# KiCad board keyboard.kicad_pcb (continued)
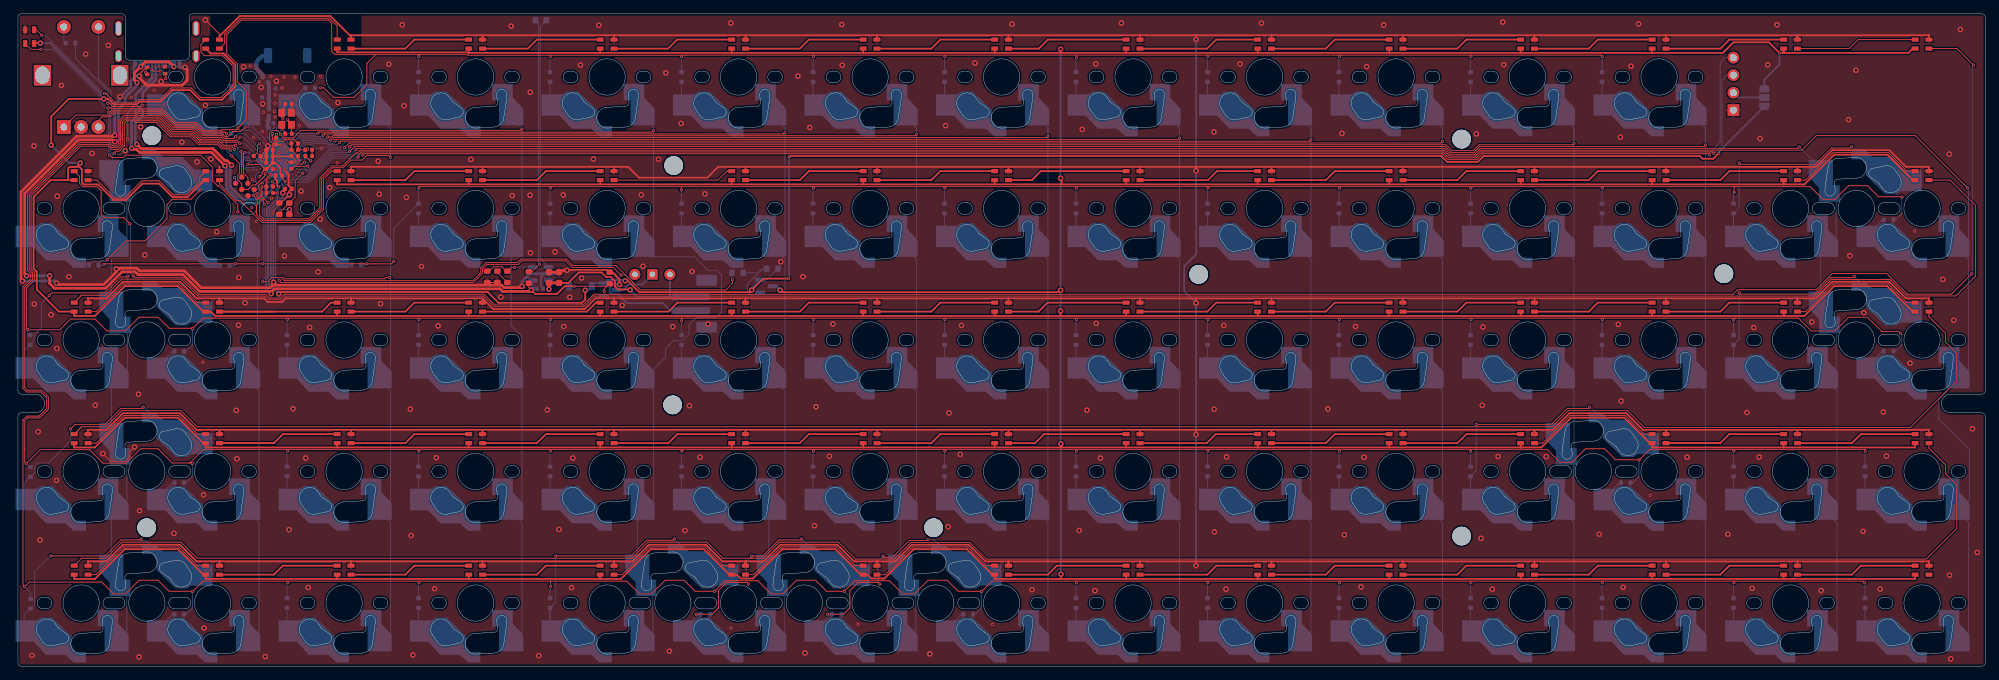
[diagram p0: board, top side]
## Footprints (pads in the part's own frame, mm; a bottom-side part is the same pattern mirrored in y, then rotated)
C_0402_1005Metric
  rrect 0.56x0.62 smd: 1(-0.48,0) 2(0.48,0)
C_0603_1608Metric
  rrect 0.9x0.95 smd: 1(-0.775,0) 2(0.775,0)
Crystal_SMD_2520-4Pin_2.5x2.0mm
  rect 1.15x1 smd: 1(-0.875,-0.7) 2(0.875,-0.7) 3(0.875,0.7) 4(-0.875,0.7)
D_SOD-123
  rrect 0.9x1.2 smd: 1(-1.65,0) 2(1.65,0)
D_SOD-523
  rrect 0.6x0.7 smd: 1(-0.7,0) 2(0.7,0)
Johanson_2450AT43F0100
  rrect 1.2x2.2 smd: 1(-2.85,0) 2(2.85,0)
JST_PH_B2B-PH-SM4-TB_1x02-1MP_P2.00mm_Vertical
  rrect 1x5.5 smd: 1(-1,-0.5) 2(1,-0.5)
  rrect 1.6x3 smd: MP(-3.4,1.75) MP(3.4,1.75)
LED_0603_1608Metric
  rrect 0.875x0.95 smd: 1(-0.787,0) 2(0.787,0)
LED_SK6805_PLCC4_2.4x2.7mm_P1.3mm
  rect 1x0.6 smd: 1(-1,0.65) 2(-1,-0.65) 3(1,-0.65) 4(1,0.65)
Molex_USBC_2169900001
  rect 0.6x1 smd: A1(-3.2,5.7) A4(-2.4,5.7) B1(3.2,5.7) B4(2.4,5.7)
  rect 0.3x1 smd: A5(-1.25,5.7) A6(-0.25,5.7) A7(0.25,5.7) A8(1.25,5.7) B5(1.75,5.7) B6(0.75,5.7) B7(-0.75,5.7) B8(-1.75,5.7)
  oval 1x2.2 hole 0.6x1.8: S1(-5.62,0) S1(5.62,0)
  oval 1x1.8 hole 0.6x1.4: S1(-5.62,4) S1(5.62,4)
MountingHole_2.7mm_M2.5_ISO7380
  round 2.7 hole 2.7 unplated: (0,0)
Nordic_AQFN-73-1EP_7x7mm_P0.5mm
  rect 2x2 smd: (-1.212,-1.212) (-1.212,1.212) (1.212,-1.212) (1.212,1.212)
  round 0.25 smd: A8(-1.25,3.25) A10(-0.75,3.25) A12(-0.25,3.25) A14(0.25,3.25) A16(0.75,3.25) A18(1.25,3.25) A20(1.75,3.25) A22(2.25,3.25) A23(2.75,3.25) AA24(3.25,-2.25) AB2(-2.75,-2.5) AC5(-2,-2.75) AC9(-1,-2.75) AC11(-0.5,-2.75) AC13(0,-2.75) AC15(0.5,-2.75) AC17(1,-2.75) AC19(1.5,-2.75) AC21(2,-2.75) AC24(3.25,-2.75) AD2(-2.75,-3.25) AD4(-2.25,-3.25) AD6(-1.75,-3.25) AD8(-1.25,-3.25) AD10(-0.75,-3.25) AD12(-0.25,-3.25) AD14(0.25,-3.25) AD16(0.75,-3.25) AD18(1.25,-3.25) AD20(1.75,-3.25) AD22(2.25,-3.25) AD23(2.75,-3.25) B1(-3.25,2.75) B3(-2.5,2.75) B5(-2,2.75) B7(-1.5,2.75) B9(-1,2.75) B11(-0.5,2.75) B13(0,2.75) B15(0.5,2.75) B17(1,2.75) B19(1.5,2.75) B24(3.25,2.75) C1(-3.25,2.25) D2(-2.75,2) D23(2.75,2) E24(3.25,1.75) F2(-2.75,1.5) F23(2.75,1.5) G1(-3.25,1.25) H2(-2.75,1) H23(2.75,1) J1(-3.25,0.75) J24(3.25,0.75) K2(-2.75,0.5) L1(-3.25,0.25) L24(3.25,0.25) M2(-2.75,0) N1(-3.25,-0.25) N24(3.25,-0.25) P2(-2.75,-0.5) P23(2.75,-0.5) R1(-3.25,-0.75) R24(3.25,-0.75) T2(-2.75,-1) T23(2.75,-1) U1(-3.25,-1.25) U24(3.25,-1.25) V23(2.75,-1.5) W1(-3.25,-1.75) W24(3.25,-1.75) Y2(-2.75,-2) Y23(2.75,-2)
  rect 4.85x4.85 smd: EP(0,0)
R_0201_0603Metric
  rrect 0.318x0.36 smd: (-0.345,0) (0.345,0)
  rrect 0.46x0.4 smd: 1(-0.32,0) 2(0.32,0)
R_0402_1005Metric
  rrect 0.54x0.64 smd: 1(-0.51,0) 2(0.51,0)
R_0603_1608Metric
  rrect 0.8x0.95 smd: 1(-0.825,0) 2(0.825,0)
RotaryEncoder_Alps_EC12E-Switch_Vertical_H20mm
  rect 2x2 hole 1: A(0,0)
  round 2 hole 1: B(0,-5) C(0,-2.5) S1(14.5,0) S2(14.5,-5)
  rect 3x2.5 hole 2.5x2: MP(7.5,3.1) MP(7.5,-8.1)
SolderJumper-3_P1.3mm_Open_RoundedPad1.0x1.5mm_NumberLabels
  custom 1.05x1.5 smd: 1(-1.3,0) 3(1.3,0)
  rect 1x1.5 smd: 2(0,0)
SOT-23
  rrect 1.475x0.6 smd: 1(-0.938,0.95) 2(-0.938,-0.95) 3(0.938,0)
SSD1306-0.91-OLED-4pin-128x32
  rect 1.7x1.7 hole 1: 1(17.8,4.81)
  oval 1.7x1.7 hole 1: 2(17.8,2.27) 3(17.8,-0.27) 4(17.8,-2.81)
SW_mechanical_many_v2_MovedCuts
  custom 10.2x6.5 smd far side: 1(-8.2,-4.05)
  custom 4.5x6 smd far side: 2(5.15,-5.8)
SW_Slide-03_Wuerth-WS-SLTV_10x2.5x6.4_P2.54mm
  rect 1.5x1.5 hole 0.8: 1(0,0)
  round 1.6 hole 0.8: 2(-2.54,0) 3(2.54,0)
Tag-Connect_TC2030-IDC-NL_2x03_P1.27mm_Vertical_NoHoles
  round 0.787 smd: 1(-1.27,-0.635) 2(-1.27,0.635) 3(0,-0.635) 4(0,0.635) 5(1.27,-0.635) 6(1.27,0.635)
Texas_R-PDSO-N6_DRL-6
  rrect 0.67x0.3 smd: 1(-0.74,0.5) 2(-0.74,0) 3(-0.74,-0.5) 4(0.74,-0.5) 5(0.74,0) 6(0.74,0.5)
TSOT-23-5
  rrect 1.325x0.6 smd: 1(-1.137,0.95) 2(-1.137,0) 3(-1.137,-0.95) 4(1.137,-0.95) 5(1.137,0.95)

## Nets
/VBUS: C22.2 C24.1 D76.2 J0.A4 J0.B4 Q0.1 R0.2 R10.2 U0.AD2 U2.4 U3.5
/VCC: C23.2 D76.1 JP0.3 Q0.2 Q1.2 R11.2 U0.Y2
/VCC_LED: JP0.1 LED0.4 LED1.4 LED2.4 LED3.4 LED4.4 LED5.4 LED6.4 LED7.4 LED8.4 LED9.4 LED10.4 LED11.4 LED12.4 LED13.4 LED14.4 LED15.4 LED16.4 LED17.4 LED18.4 LED19.4 LED20.4 LED21.4 LED22.4 LED23.4 LED24.4 LED25.4 LED26.4 LED27.4 LED28.4 LED29.4 LED30.4 LED31.4 LED32.4 LED33.4 LED34.4 LED35.4 LED36.4 LED37.4 LED38.4 LED39.4 LED40.4 LED41.4 LED42.4 LED43.4 LED44.4 LED45.4 LED46.4 LED47.4 LED48.4 LED49.4 LED50.4 LED51.4 LED52.4 LED53.4 LED54.4 LED55.4 LED56.4 LED57.4 LED58.4 LED59.4 LED60.4 LED61.4 LED62.4 LED63.4 LED64.4 LED65.4 LED66.4 LED67.4 LED68.4 LED69.4 LED70.4 LED71.4 LED72.4 LED73.4 LED74.4 Q1.3
/VDD: C11.1 C12.1 C13.1 C14.1 C15.1 J1.1 L2.1 U0.A22 U0.AD14 U0.AD23 U0.B1 U0.W1
GND: C0.2 C1.2 C4.2 C5.2 C6.2 C7.2 C8.2 C11.2 C12.2 C13.2 C14.2 C15.2 C16.2 C17.2 C18.1 C19.1 C20.1 C21.1 C22.1 C23.1 C24.2 J0.A1 J0.B1 J1.5 J2.1 J2.MP J3.1 LED0.2 LED1.2 LED2.2 LED3.2 LED4.2 LED5.2 LED6.2 LED7.2 LED8.2 LED9.2 LED10.2 LED11.2 LED12.2 LED13.2 LED14.2 LED15.2 LED16.2 LED17.2 LED18.2 LED19.2 LED20.2 LED21.2 LED22.2 LED23.2 LED24.2 LED25.2 LED26.2 LED27.2 LED28.2 LED29.2 LED30.2 LED31.2 LED32.2 LED33.2 LED34.2 LED35.2 LED36.2 LED37.2 LED38.2 LED39.2 LED40.2 LED41.2 LED42.2 LED43.2 LED44.2 LED45.2 LED46.2 LED47.2 LED48.2 LED49.2 LED50.2 LED51.2 LED52.2 LED53.2 LED54.2 LED55.2 LED56.2 LED57.2 LED58.2 LED59.2 LED60.2 LED61.2 LED62.2 LED63.2 LED64.2 LED65.2 LED66.2 LED67.2 LED68.2 LED69.2 LED70.2 LED71.2 LED72.2 LED73.2 LED74.2 R1.1 R2.1 R4.1 R5.1 R10.1 R14.2 SW0.C U0.B7 U0.EP U0.F23 U2.2 U3.2 Y0.2 Y0.4
/BATP: C0.1 C1.1 J2.2 SW13.2 U2.3
/BATP_SENSE: R13.2 R14.1 U0.J1
/BATP_SW: Q0.3 R13.1 SW13.1
/COL0: SW0.S2 SW15.2 SW30.2 SW45.2 SW60.2 SW76.2 SW79.2 SW83.2 SW84.2 U0.AD18
/COL1: SW1.2 SW16.2 SW31.2 SW46.2 SW61.2 U0.J24
/COL2: SW2.2 SW17.2 SW32.2 SW47.2 SW62.2 U0.AD16
/COL3: SW3.2 SW18.2 SW33.2 SW48.2 SW63.2 U0.B19
/COL4: SW4.2 SW19.2 SW34.2 SW49.2 SW64.2 SW75.2 U0.A20
/COL5: SW5.2 SW20.2 SW35.2 SW50.2 SW65.2 SW78.2 U0.A16
/COL6: SW6.2 SW21.2 SW36.2 SW51.2 SW66.2 SW80.2 U0.A14
/COL7: SW7.2 SW22.2 SW37.2 SW52.2 SW67.2 U0.A12
/COL8: SW8.2 SW23.2 SW38.2 SW53.2 SW68.2 U0.A10
/COL9: SW9.2 SW24.2 SW39.2 SW54.2 SW69.2 U0.A8
/COL10: SW10.2 SW25.2 SW40.2 SW55.2 SW70.2 U0.F2
/COL11: SW11.2 SW26.2 SW41.2 SW56.2 SW71.2 SW81.2 U0.G1
/COL12: SW12.2 SW27.2 SW42.2 SW57.2 SW72.2 U0.L1
/COL13: SW28.2 SW43.2 SW58.2 SW73.2 SW77.2 SW82.2 U0.N1
/COL14: SW29.2 SW44.2 SW59.2 SW74.2 U0.AD12
/D1+: J0.A6 J0.B6 U3.6
/D1-: J0.A7 J0.B7 U3.4
/D2+: R8.1 U3.1
/D2-: R6.1 U3.3
/D3+: R8.2 U0.AD6
/D3-: R6.2 U0.AD4
/ENC_A: SW0.A U0.R24
/ENC_B: SW0.B U0.U24
/LED_D: J1.3 LED0.3 U0.AC13
/LED_EN: R12.2 U0.AD8
/ROW0: D0.1 D1.1 D2.1 D3.1 D4.1 D5.1 D6.1 D7.1 D8.1 D9.1 D10.1 D11.1 D12.1 U0.L24
/ROW1: D15.1 D16.1 D17.1 D18.1 D19.1 D20.1 D21.1 D22.1 D23.1 D24.1 D25.1 D26.1 D27.1 D28.1 D29.1 U0.AD10
/ROW2: D30.1 D31.1 D32.1 D33.1 D34.1 D35.1 D36.1 D37.1 D38.1 D39.1 D40.1 D41.1 D42.1 D43.1 D44.1 U0.AD20
/ROW3: D45.1 D46.1 D47.1 D48.1 D49.1 D50.1 D51.1 D52.1 D53.1 D54.1 D55.1 D56.1 D57.1 D58.1 D59.1 U0.AD22
/ROW4: D60.1 D61.1 D62.1 D63.1 D64.1 D65.1 D66.1 D67.1 D68.1 D69.1 D70.1 D71.1 D72.1 D73.1 D74.1 U0.W24
/SCL: J3.3 U0.U1
/SDA: J3.4 U0.R1
/SW0: D0.2 SW0.S1
/SW15: D15.2 SW15.1 SW76.1
/SW28: D28.2 SW28.1 SW82.1
/SW35: D30.2 SW30.1 SW83.1
/SW43: D43.2 SW43.1 SW77.1
/SW45: D45.2 SW45.1 SW79.1
/SW56: D56.2 SW56.1 SW81.1
/SW60: D60.2 SW60.1 SW84.1
/SW64: D64.2 SW64.1 SW75.1
/SW65: D65.2 SW65.1 SW78.1
/SW66: D66.2 SW66.1 SW80.1
Net-(AE0-A): AE0.1 R7.2
Net-(C5-Pad1): C5.1 C6.1 L1.2 R7.1
Net-(D1-A): D1.2 SW1.1
Net-(D2-A): D2.2 SW2.1
Net-(D3-A): D3.2 SW3.1
Net-(D4-A): D4.2 SW4.1
Net-(D5-A): D5.2 SW5.1
Net-(D6-A): D6.2 SW6.1
Net-(D7-A): D7.2 SW7.1
Net-(D8-A): D8.2 SW8.1
Net-(D9-A): D9.2 SW9.1
Net-(D10-A): D10.2 SW10.1
Net-(D11-A): D11.2 SW11.1
Net-(D12-A): D12.2 SW12.1
Net-(D16-A): D16.2 SW16.1
Net-(D17-A): D17.2 SW17.1
Net-(D18-A): D18.2 SW18.1
Net-(D19-A): D19.2 SW19.1
Net-(D20-A): D20.2 SW20.1
Net-(D21-A): D21.2 SW21.1
Net-(D22-A): D22.2 SW22.1
Net-(D23-A): D23.2 SW23.1
Net-(D24-A): D24.2 SW24.1
Net-(D25-A): D25.2 SW25.1
Net-(D26-A): D26.2 SW26.1
Net-(D27-A): D27.2 SW27.1
Net-(D29-A): D29.2 SW29.1
Net-(D31-A): D31.2 SW31.1
Net-(D32-A): D32.2 SW32.1
Net-(D33-A): D33.2 SW33.1
Net-(D34-A): D34.2 SW34.1
Net-(D35-A): D35.2 SW35.1
Net-(D36-A): D36.2 SW36.1
Net-(D37-A): D37.2 SW37.1
Net-(D38-A): D38.2 SW38.1
Net-(D39-A): D39.2 SW39.1
Net-(D40-A): D40.2 SW40.1
Net-(D41-A): D41.2 SW41.1
Net-(D42-A): D42.2 SW42.1
Net-(D44-A): D44.2 SW44.1
Net-(D46-A): D46.2 SW46.1
Net-(D47-A): D47.2 SW47.1
Net-(D48-A): D48.2 SW48.1
Net-(D49-A): D49.2 SW49.1
Net-(D50-A): D50.2 SW50.1
Net-(D51-A): D51.2 SW51.1
Net-(D52-A): D52.2 SW52.1
Net-(D53-A): D53.2 SW53.1
Net-(D54-A): D54.2 SW54.1
Net-(D55-A): D55.2 SW55.1
Net-(D57-A): D57.2 SW57.1
Net-(D58-A): D58.2 SW58.1
Net-(D59-A): D59.2 SW59.1
Net-(D61-A): D61.2 SW61.1
Net-(D62-A): D62.2 SW62.1
Net-(D63-A): D63.2 SW63.1
Net-(D67-A): D67.2 SW67.1
Net-(D68-A): D68.2 SW68.1
Net-(D69-A): D69.2 SW69.1
Net-(D70-A): D70.2 SW70.1
Net-(D71-A): D71.2 SW71.1
Net-(D72-A): D72.2 SW72.1
Net-(D73-A): D73.2 SW73.1
Net-(D74-A): D74.2 SW74.1
Net-(D75-A): D75.2 R0.1
Net-(D75-K): D75.1 U2.1
Net-(J0-CC1): J0.A5 R4.2
Net-(J0-CC2): J0.B5 R5.2
Net-(J1-SWCLK): J1.4 U0.AA24
Net-(J1-SWDIO): J1.2 U0.AC24
Net-(J3-Pin_2): J3.2 JP0.2
Net-(L0-Pad2): L0.2 L3.1
Net-(LED0-DOUT): LED0.1 LED1.3
Net-(LED1-DOUT): LED1.1 LED2.3
Net-(LED2-DOUT): LED2.1 LED3.3
Net-(LED3-DOUT): LED3.1 LED4.3
Net-(LED4-DOUT): LED4.1 LED5.3
Net-(LED5-DOUT): LED5.1 LED6.3
Net-(LED6-DOUT): LED6.1 LED7.3
Net-(LED7-DOUT): LED7.1 LED8.3
Net-(LED8-DOUT): LED8.1 LED9.3
Net-(LED10-DIN): LED9.1 LED10.3
Net-(LED10-DOUT): LED10.1 LED11.3
Net-(LED11-DOUT): LED11.1 LED12.3
Net-(LED12-DOUT): LED12.1 LED13.3
Net-(LED13-DOUT): LED13.1 LED14.3
Net-(LED14-DOUT): LED14.1 LED15.3
Net-(LED15-DOUT): LED15.1 LED16.3
Net-(LED16-DOUT): LED16.1 LED17.3
Net-(LED17-DOUT): LED17.1 LED18.3
Net-(LED18-DOUT): LED18.1 LED19.3
Net-(LED19-DOUT): LED19.1 LED20.3
Net-(LED20-DOUT): LED20.1 LED21.3
Net-(LED21-DOUT): LED21.1 LED22.3
Net-(LED22-DOUT): LED22.1 LED23.3
Net-(LED23-DOUT): LED23.1 LED24.3
Net-(LED24-DOUT): LED24.1 LED25.3
Net-(LED25-DOUT): LED25.1 LED26.3
Net-(LED26-DOUT): LED26.1 LED27.3
Net-(LED27-DOUT): LED27.1 LED28.3
Net-(LED28-DOUT): LED28.1 LED29.3
Net-(LED29-DOUT): LED29.1 LED30.3
Net-(LED30-DOUT): LED30.1 LED31.3
Net-(LED31-DOUT): LED31.1 LED32.3
Net-(LED32-DOUT): LED32.1 LED33.3
Net-(LED33-DOUT): LED33.1 LED34.3
Net-(LED34-DOUT): LED34.1 LED35.3
Net-(LED35-DOUT): LED35.1 LED36.3
Net-(LED36-DOUT): LED36.1 LED37.3
Net-(LED37-DOUT): LED37.1 LED38.3
Net-(LED38-DOUT): LED38.1 LED39.3
Net-(LED39-DOUT): LED39.1 LED40.3
Net-(LED40-DOUT): LED40.1 LED41.3
Net-(LED41-DOUT): LED41.1 LED42.3
Net-(LED42-DOUT): LED42.1 LED43.3
Net-(LED43-DOUT): LED43.1 LED44.3
Net-(LED44-DOUT): LED44.1 LED45.3
Net-(LED45-DOUT): LED45.1 LED46.3
Net-(LED46-DOUT): LED46.1 LED47.3
Net-(LED47-DOUT): LED47.1 LED48.3
Net-(LED48-DOUT): LED48.1 LED49.3
Net-(LED49-DOUT): LED49.1 LED50.3
Net-(LED50-DOUT): LED50.1 LED51.3
Net-(LED51-DOUT): LED51.1 LED52.3
Net-(LED52-DOUT): LED52.1 LED53.3
Net-(LED53-DOUT): LED53.1 LED54.3
Net-(LED54-DOUT): LED54.1 LED55.3
Net-(LED55-DOUT): LED55.1 LED56.3
Net-(LED56-DOUT): LED56.1 LED57.3
Net-(LED57-DOUT): LED57.1 LED58.3
Net-(LED58-DOUT): LED58.1 LED59.3
Net-(LED59-DOUT): LED59.1 LED60.3
Net-(LED60-DOUT): LED60.1 LED61.3
Net-(LED61-DOUT): LED61.1 LED62.3
Net-(LED62-DOUT): LED62.1 LED63.3
Net-(LED63-DOUT): LED63.1 LED64.3
Net-(LED64-DOUT): LED64.1 LED65.3
Net-(LED65-DOUT): LED65.1 LED66.3
Net-(LED66-DOUT): LED66.1 LED67.3
Net-(LED67-DOUT): LED67.1 LED68.3
Net-(LED68-DOUT): LED68.1 LED69.3
Net-(LED69-DOUT): LED69.1 LED70.3
Net-(LED70-DOUT): LED70.1 LED71.3
Net-(LED71-DOUT): LED71.1 LED72.3
Net-(LED72-DOUT): LED72.1 LED73.3
Net-(LED73-DOUT): LED73.1 LED74.3
Net-(Q1-G): Q1.1 R11.1 R12.1
Net-(R2-Pad2): R2.2 R3.1
Net-(U0-ANT): C4.1 L1.1 U0.H23
Net-(U0-DCC): L0.1 U0.B3
Net-(U0-DCCH): L2.2 U0.AB2
Net-(U0-DEC1): C21.2 U0.C1
Net-(U0-DEC3): C20.2 U0.D23
Net-(U0-DEC4): C16.1 C17.1 L3.2 U0.B5 U0.E24
Net-(U0-DEC5): C19.2 U0.N24
Net-(U0-DECUSB): C18.2 U0.AC5
Net-(U0-XC1): C8.1 U0.B24 Y0.3
Net-(U0-XC2): C7.1 U0.A23 Y0.1
Net-(U2-PROG): R1.2 R3.2 U2.5

Pads without a net: AE0 2; J0 A8 B8 S1; J1 6; LED74 1; SW0 MP; SW13 3; U0 A18 AC9 AC11 AC15 AC17 AC19 AC21 B9 B11 B13 B15 B17 D2 H2 K2 M2 P2 P23 T2 T23 V23 Y23

## Via types
v1: diameter 0.45, hole 0.25, Top to Bottom, 235 vias
v2: diameter 0.8, hole 0.4, Top to Bottom, 240 vias

## Routing (per net, layer and track width the routed paths; a pad name or vN(x,y) marks a point on that pad's centre or on a via; arc(x,y) is an arc through that point)
/VBUS: length 164.4
  Top w0.13: v2(74.37,54.5) 74.01,54.86 R0.2 ; v1(80.56,55.04) 85.34,55.04 R10.2 84.93,54.62 v1(84.93,54.31)
  Top w0.25: C22.2 v1(37.59,68.56) ; v2(74.37,54.5) 74.95,53.92 78.1,53.92 79.22,55.04 v1(80.56,55.04) ; 36.79,54.28 36.79,54.07 v2(36.68,53.96)
  Top w0.4: v2(4.58,56.57) 4.58,55.46 5.29,54.75 12.7,54.75 15.07,57.12 16.99,57.12 17.39,56.72 23.89,56.72 26.33,54.28 36.79,54.28 37.17,54.66 69.85,54.66 70.22,54.28 74.16,54.28 v2(74.37,54.5) ; v2(14.03,75.97) 13.92,75.97 13.65,76.24 8.73,76.24 0.98,68.49 0.98,56.82 v2(1.25,56.55) ; v2(22.58,86.85) 21.9,87.53 18.46,87.53 v2(17.78,86.85) 16.85,85.92 16.85,84.92 v2(17.23,84.54)
  Bottom w0.13: v1(84.93,54.31) 84.93,53.63 Q0.1 ; 15.39,81.51 15.43,81.47 17.28,81.47 17.56,81.75 U3.5
  Bottom w0.25: 15.39,81.51 15.4,81.5 16.74,81.5 ; D76.2 80.55,55.05 v1(80.56,55.04) ; v2(36.68,53.96) 35.97,54.67 35.97,56.05 36.24,56.32 36.24,65.17 36.07,65.34 36.07,66.2 37.59,67.72 v1(37.59,68.56) 37.59,68.87 U0.AD2 ; U3.5 17.56,81.68 17.38,81.5 ; U2.4 74.59,54.72 v2(74.37,54.5)
  Bottom w0.4: v2(74.37,54.5) 74.56,54.69 C24.1 ; v2(17.23,84.54) 17.23,84.08 15.52,82.37 15.52,81.64 14.56,80.68 14.56,77.39 14.85,77.1 14.85,76.5 14.42,76.07 14.13,76.07 v2(14.03,75.97) ; v2(1.25,56.55) 4.56,56.55 v2(4.58,56.57)
/VCC: length 265.1
  Top w0.25: v2(82.18,54.44) 82.18,53.1 81.72,52.64 69.61,52.64 68.05,54.2 38.05,54.2 v2(37.78,53.93) ; v2(87.98,55.82) 88.35,55.82 89.98,54.19 106,54.19 v2(106.29,54.48) 107.95,56.14 v1(111.66,56.14) ; v1(246.41,74.31) 245.61,73.51 244.06,73.51 243.68,73.89 236.36,73.89 236.35,73.88 212.32,73.88 211.49,73.05 207.05,73.05 206.19,73.91 111.87,73.91 v1(111.73,73.77) ; C23.2 38.36,68.79 v2(38.36,68.55)
  Bottom w0.13: R11.2 108.51,55.99 Q1.2
  Bottom w0.25: v1(111.66,56.14) 111.73,56.21 v1(111.73,73.77) ; v2(82.18,54.44) 82.54,54.44 D76.1 83.55,55.45 Q0.2 85.35,55.94 87.62,55.94 87.75,55.82 v2(87.98,55.82) ; JP0.3 246.41,74.49 v1(246.41,74.31) ; v2(106.29,54.48) 106.29,54.76 Q1.2 ; v2(37.78,53.93) 36.36,55.35 36.36,55.89 36.62,56.15 36.62,65.33 36.45,65.5 36.45,66.02 38.36,67.93 v2(38.36,68.55) 38.44,68.62 38.44,69.61 38.3,69.75 U0.Y2
/VCC_LED: length 1583.7
  Top w0.25: 217.7,88.84 LED11.4 ; 217.7,88.84 198.65,88.84 ; 217.7,88.84 236.75,88.84 ; 8.15,50.74 11.16,50.74 15.47,55.05 23.17,55.05 26.86,51.36 LED31.4 27.95,51.36 28.57,50.74 46.25,50.74 ; 8.15,50.74 LED30.4 ; 8.15,50.74 LED30.4 ; 141.5,31.69 151.12,31.69 ; 141.5,31.69 122.45,31.69 ; 141.5,31.69 LED52.4 ; 151.12,31.69 151.09,31.72 v2(151.09,32.23) ; 151.12,31.69 160.55,31.69 ; 141.5,88.84 LED7.4 ; 141.5,88.84 151.08,88.84 ; 141.5,88.84 122.45,88.84 ; 7.48,72.34 8.48,72.34 v2(9.04,72.9) ; 7.48,72.34 7.26,72.12 7.26,70.42 7.27,70.41 ; 7.48,72.34 8.89,72.34 9.26,71.97 9.26,70.08 9.56,69.78 11.62,69.78 13.87,67.53 15.64,67.53 18.01,69.9 20.45,69.9 22.38,67.96 24.57,67.96 27.02,70.41 LED16.4 ; LED4.4 84.35,88.84 83.87,88.84 ; 46.25,12.64 27.2,12.64 LED61.4 26.86,13.26 23.17,16.95 15.47,16.95 11.16,12.64 8.15,12.64 LED60.4 ; 46.25,12.64 65.3,12.64 ; 46.25,12.64 LED62.4 ; 84.35,31.69 LED49.4 ; 84.35,31.69 103.4,31.69 ; 84.35,31.69 65.3,31.69 ; 255.8,88.84 v1(255.19,88.84) 253.66,90.37 248.54,90.37 247.01,88.84 236.75,88.84 ; 255.8,88.84 LED13.4 ; 255.8,88.84 273.88,88.84 274.51,89.46 LED14.4 ; 255.8,88.84 LED13.4 ; 255.8,88.84 LED13.4 ; 160.55,31.69 LED53.4 ; 160.55,31.69 179.6,31.69 ; v2(151.05,54.46) 150.78,54.19 110.7,54.19 v2(110.41,54.47) 110.69,54.2 ; 141.5,50.74 LED37.4 ; 141.5,50.74 122.45,50.74 ; 141.5,50.74 151.09,50.74 ; 27.2,31.69 LED46.4 ; 27.2,31.69 46.25,31.69 ; 27.2,31.69 LED46.4 ; LED46.4 26.86,32.31 23.17,36 15.47,36 11.16,31.69 8.15,31.69 ; 179.6,88.84 198.65,88.84 ; 179.6,88.84 LED9.4 ; 179.6,88.84 160.55,88.84 ; 198.65,88.84 LED10.4 ; 198.65,31.69 217.7,31.69 ; 198.65,31.69 179.6,31.69 ; 198.65,31.69 LED55.4 ; 217.7,31.69 220.71,31.69 225.02,36 232.72,36 236.41,32.31 LED57.4 ; 217.7,31.69 LED56.4 217.7,31.69 ; 84.35,12.64 87.36,12.64 91.67,16.95 99.37,16.95 103.06,13.26 LED65.4 104.16,13.26 104.72,12.7 106.47,12.7 110.72,16.95 118.42,16.95 122.11,13.26 LED66.4 123.09,13.26 123.65,12.7 125.52,12.7 129.77,16.95 137.47,16.95 141.16,13.26 LED67.4 ; 84.35,12.64 LED64.4 84.35,12.64 ; 84.35,12.64 65.3,12.64 ; 103.4,31.69 LED50.4 ; 103.4,31.69 122.45,31.69 ; 179.6,12.64 LED69.4 ; 179.6,12.64 198.65,12.64 ; 179.6,12.64 160.55,12.64 ; 46.25,31.69 LED47.4 ; 46.25,31.69 65.3,31.69 ; 179.6,31.69 LED54.4 ; 198.65,12.64 LED70.4 ; 198.65,12.64 217.7,12.64 ; 151.09,50.74 151.05,50.78 v2(151.05,51.45) ; 151.09,50.74 160.55,50.74 ; 236.75,69.79 151.22,69.79 ; 236.75,69.79 255.8,69.79 ; 236.75,69.79 LED27.4 ; 151.22,69.79 151.22,70.51 v2(151.05,70.68) ; 151.22,69.79 65.3,69.79 ; 160.55,88.84 LED8.4 ; 160.55,88.84 151.08,88.84 ; 255.8,69.79 LED28.4 255.8,69.79 ; 255.8,69.79 258.81,69.79 263.12,74.1 270.82,74.1 274.51,70.41 LED29.4 ; 122.45,31.69 LED51.4 ; 65.3,31.69 LED48.4 ; 179.6,69.79 LED24.4 ; 160.55,69.79 LED23.4 ; 217.7,50.74 LED41.4 ; 217.7,50.74 236.75,50.74 ; 217.7,50.74 198.65,50.74 ; 103.4,69.79 LED20.4 ; LED74.4 274.85,12.64 255.8,12.64 ; 255.8,50.74 LED43.4 255.8,50.74 ; 255.8,50.74 236.75,50.74 ; 255.8,50.74 258.81,50.74 263.12,55.05 270.82,55.05 274.51,51.36 LED44.4 ; 141.5,12.64 LED67.4 ; 141.5,12.64 151.1,12.64 ; 141.5,12.64 LED67.4 ; 217.7,12.64 236.75,12.64 ; 217.7,12.64 LED71.4 ; 151.08,88.84 151.08,89.36 v2(151.05,89.39) ; 84.35,50.74 LED34.4 ; 84.35,50.74 65.3,50.74 ; 84.35,50.74 103.4,50.74 ; 7.27,70.41 4.71,70.41 2.27,67.97 2.27,57.61 2.73,57.15 2.73,54.57 5.94,51.36 LED30.4 ; 7.27,70.41 LED15.4 ; 122.45,69.79 LED21.4 ; 236.75,50.74 LED42.4 ; 65.3,50.74 LED33.4 ; 65.3,50.74 46.25,50.74 ; 65.3,12.64 LED63.4 ; v2(4.83,75.47) 4.83,79.64 7.36,82.17 v2(12.42,82.17) 13.11,82.17 13.89,81.39 17.19,81.39 17.58,81.78 20.68,81.78 22.34,83.44 24.96,83.44 26.34,82.06 29.57,82.06 31.49,83.98 31.49,87.06 29.93,88.62 29.93,88.62 29.8,88.75 27.91,88.75 LED1.4 ; 255.8,31.69 LED58.4 ; 255.8,31.69 274.85,31.69 LED59.4 ; 255.8,31.69 236.75,31.69 ; 46.25,50.74 LED32.4 ; 84.35,69.79 LED19.4 ; 198.65,69.79 LED25.4 ; 103.4,50.74 LED35.4 ; 103.4,50.74 122.45,50.74 ; 122.45,50.74 LED36.4 ; LED2.4 46.25,88.91 65.23,88.91 65.3,88.84 83.86,88.84 83.87,88.84 ; 236.75,31.69 LED57.4 ; 236.75,31.69 LED57.4 ; 160.55,50.74 179.6,50.74 ; 160.55,50.74 LED38.4 ; 179.6,50.74 LED39.4 ; 179.6,50.74 198.65,50.74 ; 255.8,12.64 LED73.4 ; 255.8,12.64 236.75,12.64 ; 122.45,88.84 LED6.4 ; 122.45,88.84 103.4,88.84 ; 151.1,12.64 v2(151.1,13.33) ; 151.1,12.64 160.55,12.64 ; 217.7,69.79 LED26.4 ; 236.75,88.84 LED12.4 ; LED17.4 46.25,69.79 65.3,69.79 ; 198.65,50.74 LED40.4 ; 83.87,88.84 103.4,88.84 ; 236.75,12.64 LED72.4 ; 103.4,88.84 LED5.4 ; 8.15,31.69 LED45.4 8.15,31.69 ; 141.5,69.79 LED22.4 ; LED0.4 2.41,90.25 v2(3.25,90.25) ; 65.3,69.79 LED18.4 ; 160.55,12.64 LED68.4 ; LED3.4 65.3,88.91
  Bottom w0.25: v1(255.19,88.84) 255.19,87.17 253,84.98 JP0.1 ; v2(151.1,13.33) 151.09,13.34 v2(151.09,32.23) 151.05,32.27 v2(151.05,51.45) v2(151.05,70.68) v2(151.05,89.39) ; Q1.3 109.85,55.04 v2(110.41,54.47) ; v2(9.04,72.9) 7.4,72.9 v2(4.83,75.47) ; v2(3.25,90.25) 4.65,90.25 12.05,82.85 12.05,82.54 v2(12.42,82.17)
/VDD: length 25.1
  Top w0.13: v1(34.94,70.89) 35.34,71.29 35.34,71.53 35.56,71.74 ; v1(33.28,72.67) 35.11,72.67 35.56,72.22 35.56,71.74 ; C11.1 36.93,75.22 36.88,75.28 36.88,75.77 36.42,76.23 36.42,77.32 36.68,77.58 37.64,77.58 38.05,77.17 v1(38.05,76.99) ; 35.56,71.74 35.82,72.01 C13.1 ; L2.1 38.27,70.66 v1(38.69,70.24) ; v1(41.5,73.02) 41.44,73.02 41.14,72.72 40.37,72.72 40.13,72.96 40.13,73.38 C14.1 ; J1.1 31.52,70.63 v1(31.36,70.79)
  Top w0.25: C13.1 36.01,72.01 C12.1 ; C12.1 37.28,72.93 38,72.21 38,71.36 L2.1 ; C12.1 C15.1 ; C15.1 39.58,73.85 C14.1 ; C15.1 C11.1
  Bottom w0.13: U0.B1 41.92,73.02 v1(41.5,73.02) ; v1(38.05,76.99) 38.29,76.99 U0.A22 ; v1(34.94,70.89) 35.01,70.89 U0.AD14 ; v1(38.69,70.24) 38.69,69.89 U0.W1 ; v1(33.28,72.67) 33.28,72.69 U0.AD23 ; v1(31.36,70.79) 31.46,70.89
GND: length 1672.6
  Top w0.13: R4.1 18.5,86.53 18.33,86.53 17.81,86.01 17.8,86.01 ; C17.2 C16.2 39.66,74.81 C14.2 ; C8.2 39.67,80.21 Y0.2 ; 40.57,73.89 v1(40.57,73.16) ; LED1.2 29.2,91.57 v2(27.15,93.62) ; v2(39.3,68.31) 38.08,67.09 R14.2 ; v1(39.02,73.01) 39.03,73 C21.1 ; v1(38.22,75.47) 38.13,75.56 C20.1 ; C7.2 38.71,77.35 38.22,77.84 Y0.4 ; C19.1 35.11,73.91 C11.2 ; v2(12.29,30.8) 13.42,29.67 15.57,29.67 16.24,30.34 16.24,31.1 v2(16.9,31.76) ; R1.1 R2.1 ; v1(36.65,71.18) 35.99,70.52 C18.1 C22.1
  Top w0.25: 29.2,53.29 35.67,53.29 36.2,52.75 38.27,52.75 38.8,53.29 45.44,53.29 45.44,53.29 48.25,53.29 ; 29.2,53.29 LED31.2 29.2,53.29 ; 29.2,53.29 25.86,53.29 23.46,55.69 15.2,55.69 12.8,53.29 10.15,53.29 ; 29.2,34.24 LED46.2 29.2,34.24 ; 29.2,34.24 25.86,34.24 23.46,36.64 15.2,36.64 12.8,34.24 10.15,34.24 ; 29.2,34.24 48.25,34.24 ; 238.75,34.24 257.8,34.24 ; 238.75,34.24 LED57.2 238.75,34.24 ; 238.75,34.24 235.41,34.24 233.01,36.64 224.75,36.64 222.35,34.24 219.7,34.24 ; 257.8,34.24 LED58.2 ; 257.8,34.24 276.85,34.24 LED59.2 ; 86.35,53.29 LED34.2 ; 86.35,53.29 105.4,53.29 ; 86.35,53.29 83.66,53.29 82.12,51.74 68.84,51.74 67.3,53.29 ; 143.5,53.29 162.55,53.29 ; 143.5,53.29 124.45,53.29 ; 143.5,53.29 LED37.2 ; 162.55,53.29 LED38.2 ; 162.55,53.29 170.71,53.29 ; 219.7,53.29 238.75,53.29 ; 219.7,53.29 200.65,53.29 ; 219.7,53.29 LED41.2 ; 238.75,53.29 LED42.2 ; 238.75,53.29 257.8,53.29 ; 162.55,34.24 LED53.2 ; 162.55,34.24 143.5,34.24 ; 162.55,34.24 170.67,34.24 ; 86.35,34.24 LED49.2 ; 86.35,34.24 105.4,34.24 ; 86.35,34.24 67.3,34.24 ; v2(170.69,90.8) 170.69,91.39 ; 170.69,91.39 181.6,91.39 ; 170.69,91.39 162.55,91.39 ; 181.6,91.39 LED9.2 ; 181.6,91.39 200.65,91.39 ; 124.45,53.29 105.4,53.29 ; 124.45,53.29 LED36.2 ; 105.4,53.29 LED35.2 ; 143.5,91.39 LED7.2 ; 143.5,91.39 162.55,91.39 ; 143.5,91.39 124.45,91.39 ; 48.25,15.19 LED62.2 ; 48.25,15.19 67.3,15.19 ; 48.25,15.19 29.2,15.19 ; 67.3,53.29 LED33.2 ; 67.3,53.29 48.25,53.29 ; 200.65,15.19 219.7,15.19 ; 200.65,15.19 LED70.2 ; 200.65,15.19 181.6,15.19 ; 219.7,15.19 238.75,15.19 ; 219.7,15.19 LED71.2 ; 257.8,72.34 260.45,72.34 262.85,74.74 271.11,74.74 273.51,72.34 276.85,72.34 ; 257.8,72.34 LED28.2 257.8,72.34 ; 257.8,72.34 238.75,72.34 ; 170.7,15.19 170.7,14.6 v2(170.67,14.57) ; 170.7,15.19 162.55,15.19 ; 170.7,15.19 181.6,15.19 ; 200.65,91.39 LED10.2 ; 200.65,91.39 219.7,91.39 ; 276.85,91.39 LED14.2 276.85,91.39 ; 276.85,91.39 257.8,91.39 ; 143.5,15.19 LED67.2 143.5,15.19 ; 143.5,15.19 162.55,15.19 ; 143.5,15.19 140.16,15.19 137.76,17.59 129.5,17.59 127.1,15.19 124.45,15.19 ; 162.55,72.34 LED23.2 ; 162.55,72.34 170.71,72.34 ; 162.55,72.34 143.5,72.34 ; 67.3,15.19 LED63.2 ; 67.3,15.19 86.35,15.19 ; v2(170.69,71.77) 170.69,72.32 170.71,72.34 ; 86.35,91.39 105.4,91.39 ; 86.35,91.39 67.3,91.39 ; 86.35,91.39 LED4.2 ; 105.4,91.39 LED5.2 ; 105.4,91.39 124.45,91.39 ; 276.85,53.29 273.51,53.29 271.11,55.69 262.85,55.69 260.45,53.29 257.8,53.29 ; 276.85,53.29 LED44.2 276.85,53.29 ; 67.3,34.24 LED48.2 ; 67.3,34.24 48.25,34.24 ; 105.4,34.24 124.45,34.24 ; 105.4,34.24 LED50.2 ; LED65.2 105.4,15.19 ; LED65.2 105.4,15.19 ; LED65.2 105.4,15.19 ; 105.4,15.19 108.05,15.19 110.45,17.59 118.71,17.59 121.11,15.19 124.45,15.19 ; 105.4,15.19 102.06,15.19 99.66,17.59 91.4,17.59 89,15.19 86.35,15.19 ; 162.55,15.19 LED68.2 ; 67.3,91.39 48.25,91.39 ; 67.3,91.39 LED3.2 67.3,91.39 ; 238.75,15.19 LED72.2 ; 238.75,15.19 257.8,15.19 ; 86.35,15.19 LED64.2 86.35,15.19 ; v2(79.53,57.34) 79.6,57.41 85.38,57.41 R10.1 86.12,57.06 87.14,56.05 v2(87.14,55.29) ; 200.65,72.34 LED25.2 ; 200.65,72.34 219.7,72.34 ; 200.65,72.34 181.6,72.34 ; 86.35,72.34 LED19.2 ; 86.35,72.34 67.3,72.34 ; 86.35,72.34 88.4,72.34 89.98,70.76 99.87,70.76 101.45,72.34 105.4,72.34 ; 276.85,72.34 LED29.2 276.85,72.34 ; 48.25,34.24 LED47.2 ; 181.6,15.19 LED69.2 ; 143.5,34.24 LED52.2 ; 143.5,34.24 124.45,34.24 ; 29.2,15.19 25.86,15.19 23.46,17.59 15.2,17.59 12.8,15.19 10.15,15.19 LED60.2 ; 29.2,15.19 LED61.2 ; 181.6,34.24 200.65,34.24 ; 181.6,34.24 LED54.2 ; 181.6,34.24 170.67,34.24 ; 200.65,34.24 LED55.2 ; 200.65,34.24 219.7,34.24 ; 238.75,91.39 257.8,91.39 ; 238.75,91.39 219.7,91.39 ; 238.75,91.39 LED12.2 ; 257.8,91.39 LED13.2 ; 257.8,91.39 LED13.2 ; 257.8,91.39 LED13.2 ; 67.3,72.34 LED18.2 ; 67.3,72.34 48.25,72.34 LED17.2 ; 200.65,53.29 LED40.2 ; 200.65,53.29 181.6,53.29 ; 48.25,91.39 LED2.2 48.25,91.39 ; 48.25,91.39 48.07,91.39 45.28,94.18 32.12,94.17 29.2,91.25 LED1.2 ; 162.55,91.39 LED8.2 ; 124.45,15.19 LED66.2 ; 124.45,15.19 LED66.2 ; 124.45,15.19 LED66.2 ; 10.15,34.24 LED45.2 10.15,34.24 ; 37.72,55.19 37.46,55.19 v2(37.04,55.61) ; 181.6,53.29 170.71,53.29 ; 181.6,53.29 LED39.2 ; 219.7,34.24 LED56.2 219.7,34.24 ; 105.4,72.34 LED20.2 ; 105.4,72.34 124.45,72.34 ; 257.8,15.19 LED73.2 ; 257.8,15.19 276.85,15.19 LED74.2 ; 170.67,34.24 170.68,34.23 v2(170.68,33.55) ; 257.8,53.29 LED43.2 257.8,53.29 ; 170.71,72.34 181.6,72.34 ; 181.6,72.34 LED24.2 ; 48.25,53.29 LED32.2 ; 219.7,72.34 LED26.2 ; 219.7,72.34 238.75,72.34 ; 10.15,53.29 LED30.2 10.15,53.29 ; 238.75,72.34 LED27.2 ; 170.71,53.29 170.68,53.26 v2(170.68,52.6) ; 124.45,91.39 LED6.2 ; 219.7,91.39 LED11.2 ; v1(38.56,71.89) 39.19,71.26 39.19,69.62 C23.1 39.3,68.77 v2(39.3,68.31) ; 124.45,72.34 LED21.2 ; 124.45,72.34 143.5,72.34 ; 124.45,34.24 LED51.2 ; 143.5,72.34 LED22.2 ; 29.2,72.34 LED16.2
  Top w0.4: v2(24.2,86.75) 24.51,86.44 24.51,84.88 23.79,84.16 18.66,84.16 17.58,85.24 v2(17.58,85.47) ; v2(36.18,75.38) 36.18,74.98 C11.2 C12.2 ; v2(14.03,76.9) 13.9,76.77 8.51,76.77 0.45,68.71 0.45,56 v2(0.65,55.8) ; v2(5.59,55.48) 5.79,55.28 12.43,55.28 14.26,57.11 v2(14.26,57.53) 14.68,57.53 14.8,57.65 17.23,57.65 17.62,57.25 24.11,57.25 26.55,54.81 36.56,54.81 36.94,55.19 70.06,55.19 70.41,54.84 72.85,54.84 v2(73.02,55.02) ; C1.2 C0.2 78.66,57.34 v2(79.53,57.34)
  Bottom w0.13: 47.47,75.99 46.67,75.19 44.17,75.19 v1(43.98,75) 43.09,75 42.47,75.62 41.7,75.62 41.43,75.35 41.43,74.65 40.95,74.17 U0.B7 40.77,74.16 40.42,73.81 ; 37.22,75.96 37.21,75.96 U0.F23 36.78,76.29 36.38,76.69 36.38,77.28 37.09,77.99 37.09,78.6 C4.2 ; 37.38,73.67 U0.EP
  Bottom w0.25: C24.2 75.76,55.01 75.76,56.34 76.28,56.86 U2.2 ; v2(87.14,55.29) 86.19,55.29 85.74,54.83 85.74,54.18 86.02,53.89 86.91,53.89 88.22,52.58 93.44,52.58 94.52,51.5 J2.1 ; v2(39.3,68.31) 37,66.01 37,55.65 v2(37.04,55.61) ; v2(170.67,14.57) 170.67,33.54 v2(170.68,33.55) v2(170.68,52.6) 168.97,54.31 168.97,57.93 170.69,59.65 v2(170.69,71.77) v2(170.69,90.8) ; U3.2 17.56,80.84 v1(17.99,81.27) 17.83,81.11 16.83,81.11 15.87,80.15 v1(15.87,76.32)
  Bottom w0.4: v2(14.03,76.9) 14.03,76.9 14.03,81.42 14.79,82.18 v2(14.79,82.52) 14.92,82.52 16.33,83.93 16.33,84.76 17.04,85.47 v2(17.58,85.47) 17.21,85.47 16.81,85.88 16.81,86.73 ; v2(73.02,55.02) 73.02,55.68 74.2,56.86 U2.2 77.82,56.86 78.3,57.34 v2(79.53,57.34) ; v2(24.2,86.75) 23.58,86.75 23.56,86.73 ; v2(0.65,55.8) 5.27,55.8 v2(5.59,55.48)
  vias: v1(16.42,82.41) v1(19.74,83.44) v1(26.81,44.03) v1(33.65,86.95) v1(33.87,66.45) v1(33.94,70.47) v1(34.13,76.58) v1(34.52,64.45) v1(34.95,84.65) v1(35.4,73.41) v1(35.45,77.45) v1(35.55,80.25) v1(36.65,85.45) v1(36.73,67.8) v1(36.95,65.73) v1(37.15,80.35) v1(37.25,82.75) v1(37.25,81.55) v1(37.25,79.55) v1(37.49,72.01) v1(37.79,74.35) v1(37.83,73.35) v1(38.25,83.75) v1(38.55,85.35) v1(39.12,74.83) v1(40.15,85.35) v1(40.78,78.31) v1(43.85,85.45) v1(46.26,72.91) v1(103.3,5.55) v1(121.69,6.08) v1(141.21,6.04) v1(236.46,24.73) v1(274.78,63.04) v2(2.02,1.55) v2(2.32,75.37) v2(2.36,52.46) v2(2.94,33.96) v2(3.21,18.27) v2(4.8,50.92) v2(5.62,46.02) v2(5.59,26.91) v2(5.7,68.07) v2(6.3,84.13) v2(7.38,56.42) v2(9.8,88.66) v2(10.74,74.28) v2(11.21,37.8) v2(13.1,89.93) v2(15.55,74.66) v2(17.47,39.4) v2(17.61,22.52) v2(17.55,1.35) v2(17.78,78.13) v2(18.38,59.57) v2(20.74,84.69) v2(22.6,19.24) v2(23.74,75.91) v2(25.95,73.07) v2(26.89,24.82) v2(26.96,5.52) v2(27.16,81.24) v2(27.94,73.46) v2(28.78,62.94) v2(31.63,37.06) v2(31.72,30.06) v2(31.99,56.3) v2(31.95,49.4) v2(32.68,86.83) v2(32.9,52.64) v2(35.25,83.85) v2(35.45,81.45) v2(35.84,1.4) v2(37.45,84.75) v2(38.62,59.43) v2(39.27,19.78) v2(39.86,37.29) v2(41.02,68.81) v2(41.69,30.16) v2(42.06,11.4) v2(42.26,49.07) v2(43.5,57.12) v2(43.78,64.76) v2(45.16,69.33) v2(46.36,81.63) v2(52.18,73.15) v2(52.34,68.39) v2(52.53,52.51) v2(53.73,87.19) v2(55.66,92.92) v2(55.95,81.19) v2(56.28,67.91) v2(56.85,37.23) v2(56.97,18.93) v2(57.22,1.63) v2(58.46,57.9) v2(60.36,11.23) v2(60.61,30.2) v2(60.87,49.29) v2(65.61,73.41) v2(69.94,53.47) v2(71.46,92.73) v2(71.61,68.17) v2(74.22,83.13) v2(74.18,68.23) v2(74.24,59.88) v2(75.45,1.53) v2(76.69,37.12) v2(77.79,60.03) v2(78.39,19.81) v2(79,68.27) v2(79.07,49.2) v2(79.93,53.45) v2(80.2,11.38) v2(80.39,30.16) v2(81.49,87.09) v2(81.65,56.24) v2(83.37,73.46) v2(84.15,92.84) v2(87.55,52.27) v2(90.31,68.29) v2(90.56,57.93) v2(92.8,73.42) v2(93.85,85.95) v2(94.37,2.17) v2(94.86,49.19) v2(96.08,78.62) v2(96.62,19.66) v2(97.28,37.73) v2(97.64,57.18) v2(98.8,30.27) v2(99.52,68.43) v2(99.99,49.57) v2(103.27,93.16) v2(110.51,58.59) v2(113,85.47) v2(113.72,56.42) v2(114.02,1.92) v2(114.72,78.04) v2(115.39,20.35) v2(115.62,37.57) v2(117.55,30.41) v2(118.06,49.58) v2(119.34,92.95) v2(119.41,87.05) v2(132.1,1.77) v2(134.39,78.3) v2(134.76,20.21) v2(134.89,36.68) v2(136.51,30.68) v2(136.69,49.36) v2(138.66,87.36) v2(144.02,93) v2(146.91,11.09) v2(153.76,19.66) v2(154.18,77.75) v2(154.87,37.09) v2(156.03,10.94) v2(156.14,87.24) v2(156.22,49.66) v2(156.83,30.15) v2(159.86,93.16) v2(173.27,77.4) v2(173.31,37.23) v2(173.34,19.46) v2(174.69,49.36) v2(174.99,11.15) v2(175.09,30.32) v2(177.05,87.24) v2(180.15,93.13) v2(189.78,37.26) v2(191.81,77.17) v2(192.16,19.04) v2(193.77,49.2) v2(194.56,11.49) v2(195.01,30.26) v2(195.38,86.85) v2(197.86,92.88) v2(211.28,77.11) v2(211.95,18.52) v2(212.13,37.79) v2(212.24,49.13) v2(213.59,11.15) v2(214.42,30.38) v2(215.11,93.3) v2(215.27,87.14) v2(221.39,30.37) v2(229.11,19.11) v2(231.85,49.51) v2(232.15,76.63) v2(232.26,38.42) v2(232.55,11.42) v2(233.69,86.91) v2(234.78,93.04) v2(241.81,30.27) v2(247.73,19.11) v2(250.47,36.74) v2(251.23,11.28) v2(251.46,49.05) v2(252.26,30.3) v2(252.39,76.43) v2(253.48,87.11) v2(254.84,92.91) v2(259.87,49.86) v2(261.23,10.96) v2(265.2,79.17) v2(265.38,59.45) v2(266.28,86.32) v2(267.31,19.53) v2(267.41,51.2) v2(269.79,11.16) v2(270.24,36.81) v2(270.69,30.44) v2(274.12,43.89) v2(278.86,56.02) v2(279.8,74.18) v2(279.83,13.17) v2(280,1.06) v2(280.44,50.11) v2(281.41,92.23) v2(283.15,34.39) v2(283.86,16.48)
